# Allegro board 6089-119-RevA_41.brd (continued)
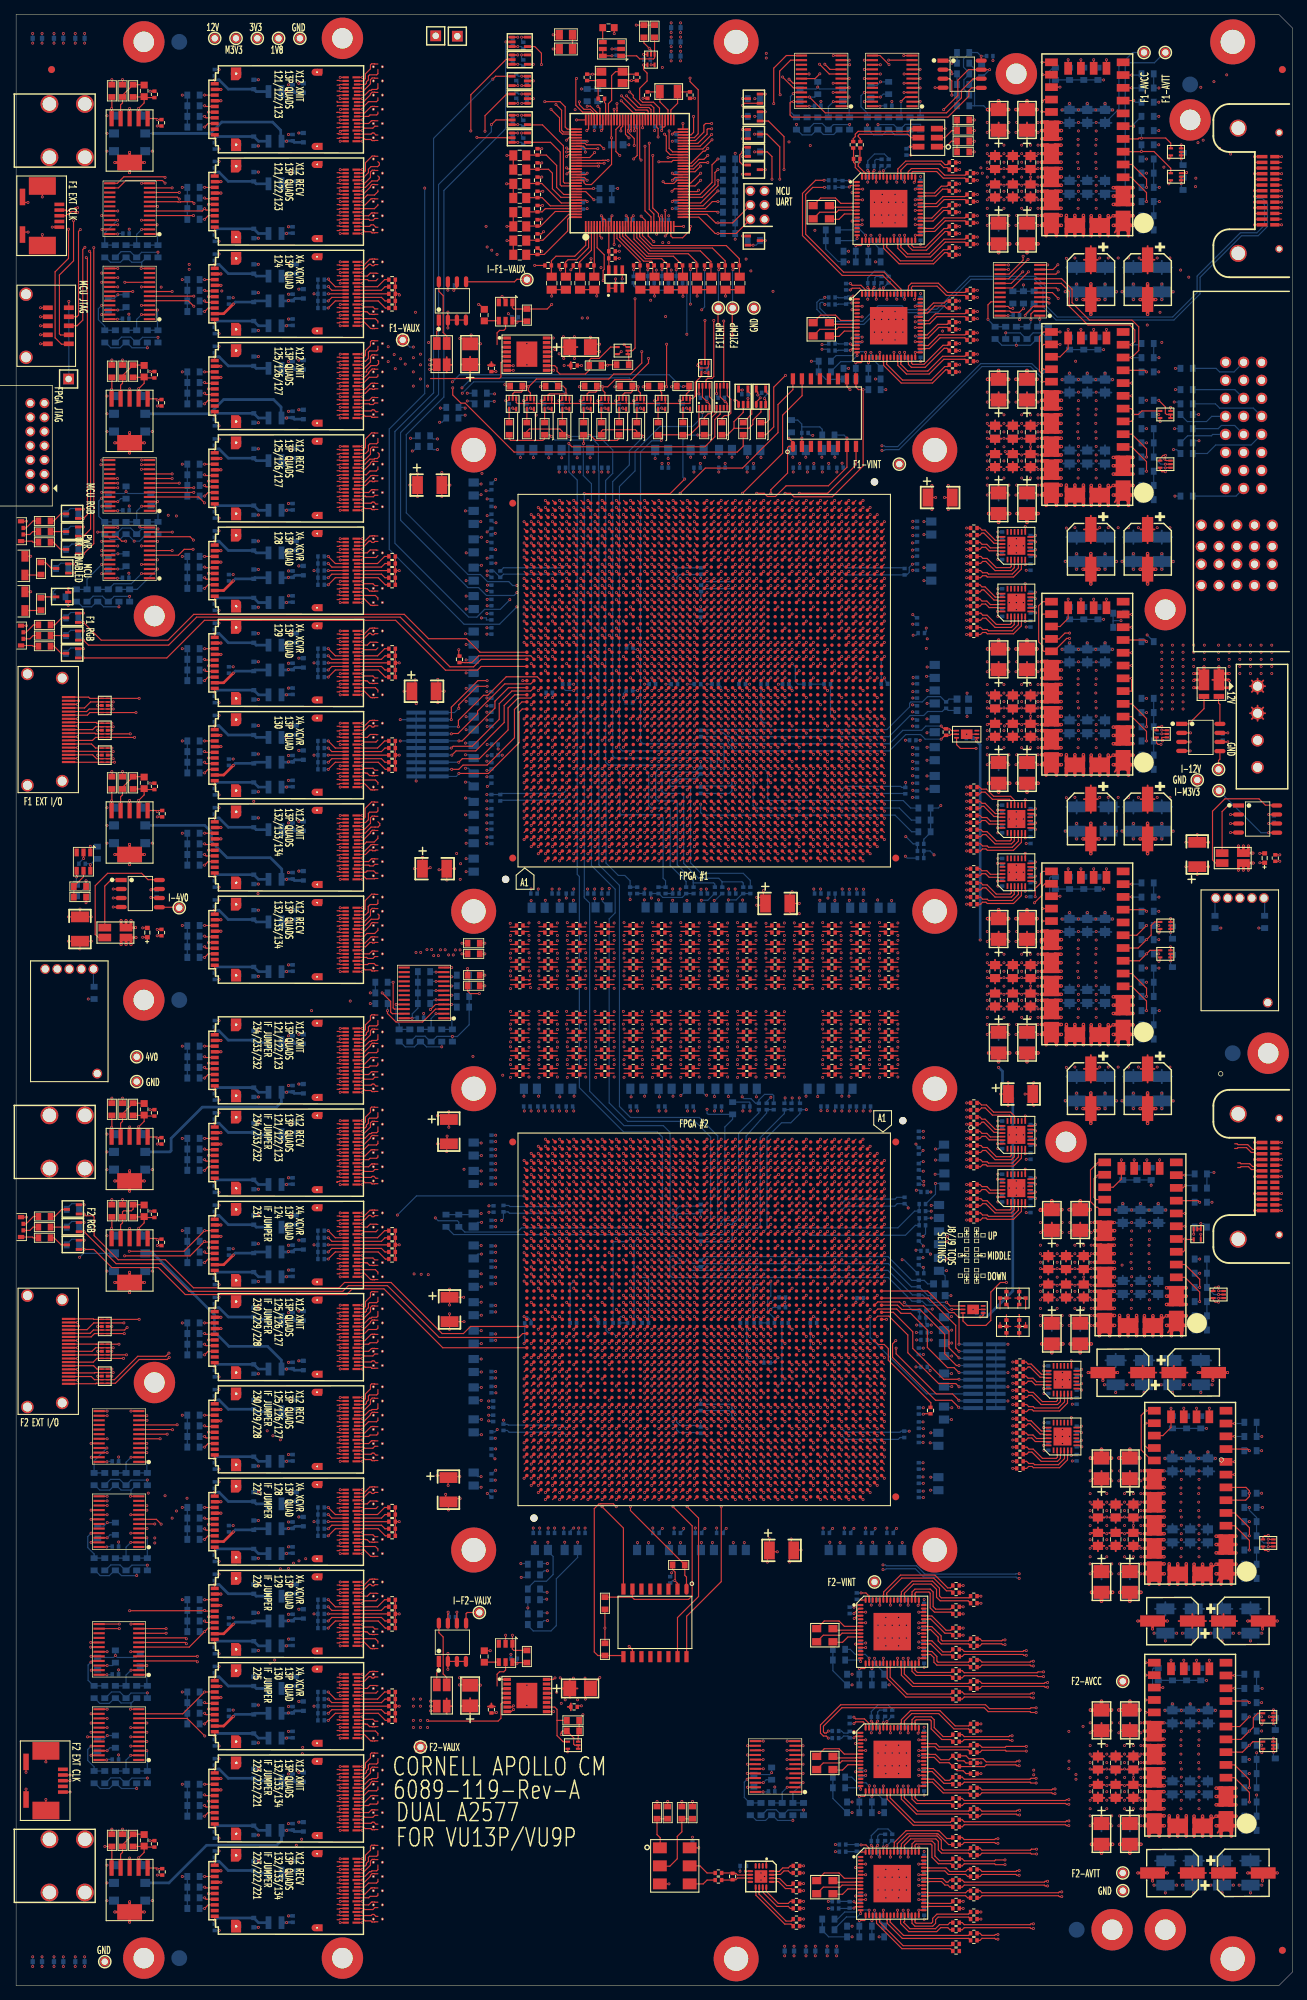
[diagram p0: board, top side]
## Routing (per net, layer and track width the routed paths; a pad name or vN(x,y) marks a point on that pad's centre or on a via; arc(x,y) is an arc through that point) (continued)
  GND6 w0.254: VA100.4 52.02,17.4 ; VA100.4 51.82,17.81 ; VA100.4 51.96,17.72 ; VA100.4 52.05,17.21 ; VA100.4 51.96,17.08 ; VA100.4 51.63,17.78 ; VA100.4 52.05,17.59 ; VA100.4 51.63,17.02 ; 174.19,176.3 J10.3 ; J10.3 174.19,174.69 ; J10.3 176.07,175.5 ; J10.3 175,176.56 ; J10.3 175.81,176.3 ; J10.3 175.81,174.69 ; J10.3 175,174.43 ; J10.3 173.93,175.5 ; VA52.4 52.02,143.4 ; VA52.4 51.63,143.78 ; VA52.4 52.05,143.59 ; VA52.4 52.05,143.21 ; VA52.4 51.96,143.72 ; VA52.4 51.63,143.02 ; VA52.4 51.82,143.81 ; VA52.4 51.96,143.08 ; PM24.1 167.17,169.23 ; PM24.1 166.5,169.02 ; PM24.1 165.83,170.57 ; PM24.1 165.62,169.9 ; PM24.1 167.38,169.9 ; PM24.1 167.17,170.57 ; PM24.1 165.83,169.23 ; PM24.1 166.5,170.78 ; VA18.4 52.05,229.59 ; VA18.4 52.02,229.4 ; VA18.4 51.96,229.72 ; VA18.4 52.05,229.21 ; VA18.4 51.63,229.02 ; VA18.4 51.82,229.81 ; VA18.4 51.96,229.08 ; VA18.4 51.63,229.78 ; 50.37,170.52 VA39.4 ; VA39.4 50.04,171.22 ; VA39.4 49.95,170.71 ; VA39.4 50.18,170.49 ; VA39.4 49.98,170.9 ; VA39.4 50.04,170.58 ; VA39.4 49.95,171.09 ; VA39.4 50.37,171.28 ; VA25.4 51.63,214.78 ; VA25.4 51.82,214.81 ; VA25.4 52.05,214.59 ; VA25.4 52.05,214.21 ; VA25.4 51.63,214.02 ; VA25.4 52.02,214.4 ; VA25.4 51.96,214.72 ; VA25.4 51.96,214.08 ; 50.37,130.02 VA56.3 ; VA56.3 49.95,130.59 ; VA56.3 50.18,129.99 ; VA56.3 49.95,130.21 ; VA56.3 49.98,130.4 ; VA56.3 50.04,130.08 ; VA56.3 50.04,130.72 ; VA56.3 50.37,130.78 ; 3.33,221.67 J1.11 ; J1.11 3.33,220.33 ; J1.11 3.62,220.13 ; J1.11 4.67,220.33 ; J1.11 4,221.88 ; J1.11 4,220.12 ; J1.11 4.88,221 ; J1.11 4.67,221.67 ; VA22.4 51.82,221.81 ; VA22.4 51.63,221.02 ; VA22.4 52.05,221.21 ; VA22.4 51.96,221.72 ; VA22.4 52.02,221.4 ; VA22.4 51.63,221.78 ; VA22.4 51.96,221.08 ; VA22.4 52.05,221.59 ; 49.98,84.4 VA75.3 ; VA75.3 50.37,84.02 ; VA75.3 50.04,84.72 ; VA75.3 49.95,84.59 ; VA75.3 50.18,83.99 ; VA75.3 49.95,84.21 ; VA75.3 50.37,84.78 ; VA75.3 50.04,84.08 ; 50.04,132.08 VA55.3 ; VA55.3 50.04,132.72 ; VA55.3 49.98,132.4 ; VA55.3 49.95,132.59 ; VA55.3 49.95,132.21 ; VA55.3 50.37,132.78 ; VA55.3 50.37,132.02 ; VA55.3 50.18,131.99 ; VA49.4 51.96,149.72 ; VA49.4 51.82,149.81 ; VA49.4 52.05,149.59 ; VA49.4 51.63,149.78 ; VA49.4 51.63,149.02 ; VA49.4 52.02,149.4 ; VA49.4 51.96,149.08 ; VA49.4 52.05,149.21 ; 51.63,117.02 VA62.4 ; VA62.4 51.96,117.08 ; VA62.4 52.02,117.4 ; VA62.4 52.05,117.21 ; VA62.4 51.82,117.81 ; VA62.4 51.63,117.78 ; VA62.4 52.05,117.59 ; VA62.4 51.96,117.72 ; VA44.4 51.96,160.72 ; VA44.4 51.82,160.81 ; VA44.4 51.63,160.78 ; VA44.4 51.96,160.08 ; VA44.4 52.02,160.4 ; VA44.4 52.05,160.59 ; VA44.4 51.63,160.02 ; VA44.4 52.05,160.21 ; 50.04,249.08 VA11.3 ; VA11.3 50.37,249.02 ; VA11.3 49.95,249.21 ; VA11.3 49.98,249.4 ; VA11.3 50.04,249.72 ; VA11.3 50.18,248.99 ; VA11.3 49.95,249.59 ; VA11.3 50.37,249.78 ; VA39.3 52.02,170.9 ; VA39.3 51.63,171.28 ; VA39.3 51.96,170.58 ; VA39.3 52.05,171.09 ; VA39.3 51.96,171.22 ; VA39.3 51.82,171.31 ; VA39.3 52.05,170.71 ; VA39.3 51.63,170.52 ; VA10.4 52.02,251.4 ; VA10.4 52.05,251.21 ; VA10.4 51.96,251.08 ; VA10.4 52.05,251.59 ; VA10.4 51.63,251.02 ; VA10.4 51.96,251.72 ; VA10.4 51.82,251.81 ; VA10.4 51.63,251.78 ; VA69.3 50.37,97.78 ; VA69.3 49.95,97.21 ; VA69.3 49.95,97.59 ; VA69.3 50.37,97.02 ; VA69.3 50.18,96.99 ; VA69.3 49.98,97.4 ; VA69.3 50.04,97.08 ; VA69.3 50.04,97.72 ; 50.04,231.08 VA17.3 ; VA17.3 49.95,231.21 ; VA17.3 50.37,231.02 ; VA17.3 50.37,231.78 ; VA17.3 49.95,231.59 ; VA17.3 49.98,231.4 ; VA17.3 50.18,230.99 ; VA17.3 50.04,231.72 ; 172.05,216.05 P1.11 ; P1.11 172.29,216.79 ; P1.11 173.77,215.31 ; P1.11 174.01,216.05 ; P1.11 173.77,216.79 ; P1.11 173.03,215.07 ; P1.11 173.03,217.03 ; P1.11 172.29,215.31 ; 50.04,158.72 VA45.3 ; VA45.3 49.98,158.4 ; VA45.3 50.37,158.78 ; VA45.3 49.95,158.21 ; VA45.3 50.18,157.99 ; VA45.3 50.04,158.08 ; VA45.3 49.95,158.59 ; VA45.3 50.37,158.02 ; PM9.1 40.67,273.73 ; PM9.1 40.67,275.07 ; PM9.1 40,275.28 ; PM9.1 39.12,274.4 ; PM9.1 40,273.52 ; PM9.1 39.33,275.07 ; PM9.1 39.33,273.73 ; PM9.1 40.88,274.4 ; 49.98,175.9 VA38.3 ; VA38.3 50.18,175.49 ; VA38.3 50.04,175.58 ; VA38.3 49.95,175.71 ; VA38.3 50.04,176.22 ; VA38.3 49.95,176.09 ; VA38.3 50.37,176.28 ; VA38.3 50.37,175.52 ; PM1.1 12.5,4.28 ; PM1.1 12.5,2.52 ; PM1.1 13.17,4.07 ; PM1.1 11.83,2.73 ; PM1.1 11.83,4.07 ; PM1.1 13.38,3.4 ; PM1.1 11.62,3.4 ; PM1.1 13.17,2.73 ; 50.37,210.02 VA27.3 ; VA27.3 50.37,210.78 ; VA27.3 50.18,209.99 ; VA27.3 49.95,210.21 ; VA27.3 50.04,210.08 ; VA27.3 49.95,210.59 ; VA27.3 50.04,210.72 ; VA27.3 49.98,210.4 ; 50.18,92.99 VA71.3 ; VA71.3 50.37,93.02 ; VA71.3 50.04,93.72 ; VA71.3 49.95,93.59 ; VA71.3 50.37,93.78 ; VA71.3 49.95,93.21 ; VA71.3 49.98,93.4 ; VA71.3 50.04,93.08 ; J5.20 2.4,168.35 ; J5.20 1.6,170.22 ; J5.20 1.6,168.08 ; J5.20 2.05,170.2 ; J5.20 2.64,169.6 ; J5.20 2.4,169.96 ; J5.20 2.66,169.15 ; J5.20 1.15,168.11 ; VA8.3 50.37,255.78 ; VA8.3 50.04,255.72 ; VA8.3 49.95,255.21 ; VA8.3 50.37,255.02 ; VA8.3 49.95,255.59 ; VA8.3 49.98,255.4 ; VA8.3 50.04,255.08 ; VA8.3 50.18,254.99 ; 50.04,89.08 VA73.3 ; VA73.3 50.04,89.72 ; VA73.3 50.37,89.78 ; VA73.3 49.98,89.4 ; VA73.3 50.37,89.02 ; VA73.3 49.95,89.21 ; VA73.3 50.18,88.99 ; VA73.3 49.95,89.59 ; VA71.4 51.96,93.08 ; VA71.4 51.63,93.02 ; VA71.4 51.96,93.72 ; VA71.4 51.63,93.78 ; VA71.4 51.82,93.81 ; VA71.4 52.05,93.21 ; VA71.4 52.05,93.59 ; VA71.4 52.02,93.4 ; 3.62,212.13 J1.3 ; J1.3 4.88,213 ; J1.3 3.33,213.67 ; J1.3 3.33,212.33 ; J1.3 4.67,212.33 ; J1.3 4.67,213.67 ; J1.3 4,213.88 ; J1.3 4,212.12 ; 51.63,26.02 VA96.4 ; VA96.4 52.02,26.4 ; VA96.4 51.63,26.78 ; VA96.4 52.05,26.59 ; VA96.4 52.05,26.21 ; VA96.4 51.82,26.81 ; VA96.4 51.96,26.08 ; VA96.4 51.96,26.72 ; 49.95,262.21 VA5.3 ; VA5.3 50.37,262.78 ; VA5.3 50.04,262.08 ; VA5.3 49.95,262.59 ; VA5.3 50.04,262.72 ; VA5.3 50.18,261.99 ; VA5.3 49.98,262.4 ; VA5.3 50.37,262.02 ; 50.18,256.99 VA7.3 ; VA7.3 49.98,257.4 ; VA7.3 49.95,257.21 ; VA7.3 50.04,257.72 ; VA7.3 49.95,257.59 ; VA7.3 50.04,257.08 ; VA7.3 50.37,257.02 ; VA7.3 50.37,257.78 ; VA48.3 50.37,151.78 ; VA48.3 50.04,151.08 ; VA48.3 49.95,151.21 ; VA48.3 50.37,151.02 ; VA48.3 50.04,151.72 ; VA48.3 50.18,150.99 ; VA48.3 49.98,151.4 ; VA48.3 49.95,151.59 ; VA87.3 51.96,49.58 ; VA87.3 51.82,50.31 ; VA87.3 52.05,50.09 ; VA87.3 51.63,49.52 ; VA87.3 52.05,49.71 ; VA87.3 51.96,50.22 ; VA87.3 52.02,49.9 ; VA87.3 51.63,50.28 ; VA21.3 50.37,223.78 ; VA21.3 50.04,223.08 ; VA21.3 49.98,223.4 ; VA21.3 49.95,223.59 ; VA21.3 50.37,223.02 ; VA21.3 49.95,223.21 ; VA21.3 50.18,222.99 ; VA21.3 50.04,223.72 ; 50.04,19.08 VA99.3 ; VA99.3 49.95,19.21 ; VA99.3 50.18,18.99 ; VA99.3 49.95,19.59 ; VA99.3 50.37,19.02 ; VA99.3 49.98,19.4 ; VA99.3 50.04,19.72 ; VA99.3 50.37,19.78 ; 50.04,241.22 VA14.3 ; VA14.3 50.37,240.52 ; VA14.3 50.04,240.58 ; VA14.3 49.95,240.71 ; VA14.3 49.95,241.09 ; VA14.3 50.37,241.28 ; VA14.3 49.98,240.9 ; VA14.3 50.18,240.49 ; 49.95,119.21 VA61.3 ; VA61.3 50.37,119.02 ; VA61.3 50.18,118.99 ; VA61.3 49.98,119.4 ; VA61.3 49.95,119.59 ; VA61.3 50.04,119.72 ; VA61.3 50.37,119.78 ; VA61.3 50.04,119.08 ; VA51.4 51.63,145.78 ; VA51.4 51.82,145.81 ; VA51.4 51.96,145.72 ; VA51.4 51.96,145.08 ; VA51.4 51.63,145.02 ; VA51.4 52.02,145.4 ; VA51.4 52.05,145.21 ; VA51.4 52.05,145.59 ; 168.83,205.06 P1.P2-8 ; P1.P2-8 168.59,205.8 ; P1.P2-8 169.57,204.82 ; P1.P2-8 170.55,205.8 ; P1.P2-8 170.31,206.54 ; P1.P2-8 170.31,205.06 ; P1.P2-8 169.57,206.78 ; P1.P2-8 168.83,206.54 ; VA83.3 52.05,62.71 ; VA83.3 51.96,62.58 ; VA83.3 52.05,63.09 ; VA83.3 51.63,63.28 ; VA83.3 51.96,63.22 ; VA83.3 51.82,63.31 ; VA83.3 51.63,62.52 ; VA83.3 52.02,62.9 ; 49.95,208.21 VA28.3 ; VA28.3 50.37,208.78 ; VA28.3 49.98,208.4 ; VA28.3 49.95,208.59 ; VA28.3 50.18,207.99 ; VA28.3 50.04,208.08 ; VA28.3 50.04,208.72 ; VA28.3 50.37,208.02 ; 49.98,147.4 VA50.3 ; VA50.3 49.95,147.59 ; VA50.3 49.95,147.21 ; VA50.3 50.18,146.99 ; VA50.3 50.04,147.08 ; VA50.3 50.37,147.02 ; VA50.3 50.04,147.72 ; VA50.3 50.37,147.78 ; 50.37,74.02 VA80.3 ; VA80.3 49.95,74.21 ; VA80.3 50.37,74.78 ; VA80.3 50.04,74.08 ; VA80.3 50.04,74.72 ; VA80.3 50.18,73.99 ; VA80.3 49.98,74.4 ; VA80.3 49.95,74.59 ; VA30.4 52.02,201.9 ; VA30.4 51.63,201.52 ; VA30.4 51.82,202.31 ; VA30.4 52.05,201.71 ; VA30.4 51.96,202.22 ; VA30.4 52.05,202.09 ; VA30.4 51.63,202.28 ; VA30.4 51.96,201.58 ; VA63.4 52.02,115.4 ; VA63.4 51.96,115.08 ; VA63.4 52.05,115.59 ; VA63.4 51.82,115.81 ; VA63.4 51.63,115.02 ; VA63.4 51.96,115.72 ; VA63.4 51.63,115.78 ; VA63.4 52.05,115.21 ; 50.37,134.02 VA54.3 ; VA54.3 50.04,134.08 ; VA54.3 49.95,134.59 ; VA54.3 50.04,134.72 ; VA54.3 50.37,134.78 ; VA54.3 49.95,134.21 ; VA54.3 49.98,134.4 ; VA54.3 50.18,133.99 ; 50.37,145.02 VA51.3 ; VA51.3 50.18,144.99 ; VA51.3 50.37,145.78 ; VA51.3 49.95,145.59 ; VA51.3 49.95,145.21 ; VA51.3 50.04,145.72 ; VA51.3 50.04,145.08 ; VA51.3 49.98,145.4 ; VA48.4 51.96,151.72 ; VA48.4 52.02,151.4 ; VA48.4 52.05,151.21 ; VA48.4 51.63,151.02 ; VA48.4 52.05,151.59 ; VA48.4 51.96,151.08 ; VA48.4 51.82,151.81 ; VA48.4 51.63,151.78 ; 49.98,62.9 VA83.4 ; VA83.4 50.04,62.58 ; VA83.4 50.37,62.52 ; VA83.4 50.04,63.22 ; VA83.4 49.95,63.09 ; VA83.4 50.18,62.49 ; VA83.4 49.95,62.71 ; VA83.4 50.37,63.28 ; VA36.4 50.37,182.28 ; VA36.4 49.95,181.71 ; VA36.4 50.37,181.52 ; VA36.4 50.04,181.58 ; VA36.4 49.95,182.09 ; VA36.4 50.18,181.49 ; VA36.4 50.04,182.22 ; VA36.4 49.98,181.9 ; VA72.4 52.02,91.4 ; VA72.4 52.05,91.59 ; VA72.4 51.63,91.02 ; VA72.4 51.96,91.08 ; VA72.4 51.63,91.78 ; VA72.4 52.05,91.21 ; VA72.4 51.96,91.72 ; VA72.4 51.82,91.81 ; 50.04,247.72 VA12.3 ; VA12.3 49.98,247.4 ; VA12.3 50.04,247.08 ; VA12.3 50.18,246.99 ; VA12.3 49.95,247.21 ; VA12.3 49.95,247.59 ; VA12.3 50.37,247.78 ; VA12.3 50.37,247.02 ; VA104.4 52.05,9.59 ; VA104.4 51.96,9.72 ; VA104.4 52.05,9.21 ; VA104.4 51.63,9.02 ; VA104.4 51.82,9.81 ; VA104.4 52.02,9.4 ; VA104.4 51.63,9.78 ; VA104.4 51.96,9.08 ; 49.98,17.4 VA100.3 ; VA100.3 49.95,17.21 ; VA100.3 50.37,17.02 ; VA100.3 50.18,16.99 ; VA100.3 50.04,17.08 ; VA100.3 50.37,17.78 ; VA100.3 49.95,17.59 ; VA100.3 50.04,17.72 ; VA90.4 52.02,41.9 ; VA90.4 51.63,41.52 ; VA90.4 52.05,41.71 ; VA90.4 51.63,42.28 ; VA90.4 51.96,42.22 ; VA90.4 52.05,42.09 ; VA90.4 51.82,42.31 ; VA90.4 51.96,41.58 ; 50.37,60.52 VA84.4 ; VA84.4 49.95,60.71 ; VA84.4 49.95,61.09 ; VA84.4 50.18,60.49 ; VA84.4 50.04,61.22 ; VA84.4 50.37,61.28 ; VA84.4 50.04,60.58 ; VA84.4 49.98,60.9 ; 49.95,197.09 VA31.4 ; VA31.4 50.18,196.49 ; VA31.4 50.04,196.58 ; VA31.4 50.37,196.52 ; VA31.4 49.98,196.9 ; VA31.4 50.04,197.22 ; VA31.4 49.95,196.71 ; VA31.4 50.37,197.28 ; 49.95,251.59 VA10.3 ; VA10.3 50.04,251.08 ; VA10.3 50.37,251.78 ; VA10.3 50.18,250.99 ; VA10.3 50.04,251.72 ; VA10.3 49.95,251.21 ; VA10.3 49.98,251.4 ; VA10.3 50.37,251.02 ; VA29.4 52.02,203.9 ; VA29.4 51.96,204.22 ; VA29.4 51.63,203.52 ; VA29.4 51.63,204.28 ; VA29.4 52.05,204.09 ; VA29.4 51.82,204.31 ; VA29.4 51.96,203.58 ; VA29.4 52.05,203.71 ; 51.63,76.02 VA79.4 ; VA79.4 52.05,76.21 ; VA79.4 51.63,76.78 ; VA79.4 51.82,76.81 ; VA79.4 52.02,76.4 ; VA79.4 51.96,76.08 ; VA79.4 51.96,76.72 ; VA79.4 52.05,76.59 ; VA20.4 51.63,225.78 ; VA20.4 51.82,225.81 ; VA20.4 51.63,225.02 ; VA20.4 51.96,225.08 ; VA20.4 52.02,225.4 ; VA20.4 51.96,225.72 ; VA20.4 52.05,225.21 ; VA20.4 52.05,225.59 ; P1.P2-2 177.81,205.06 ; P1.P2-2 176.33,206.54 ; P1.P2-2 176.33,205.06 ; P1.P2-2 177.07,206.78 ; P1.P2-2 178.05,205.8 ; P1.P2-2 177.81,206.54 ; P1.P2-2 177.07,204.82 ; P1.P2-2 176.09,205.8 ; VA38.4 52.05,175.71 ; VA38.4 51.82,176.31 ; VA38.4 51.63,176.28 ; VA38.4 52.02,175.9 ; VA38.4 51.96,175.58 ; VA38.4 51.96,176.22 ; VA38.4 51.63,175.52 ; VA38.4 52.05,176.09 ; 49.95,128.59 VA57.3 ; VA57.3 50.37,128.02 ; VA57.3 49.95,128.21 ; VA57.3 50.18,127.99 ; VA57.3 49.98,128.4 ; VA57.3 50.04,128.08 ; VA57.3 50.04,128.72 ; VA57.3 50.37,128.78 ; VA50.4 51.63,147.78 ; VA50.4 51.96,147.72 ; VA50.4 51.63,147.02 ; VA50.4 51.82,147.81 ; VA50.4 52.05,147.21 ; VA50.4 52.02,147.4 ; VA50.4 51.96,147.08 ; VA50.4 52.05,147.59 ; VA23.4 51.96,218.72 ; VA23.4 52.05,218.21 ; VA23.4 51.96,218.08 ; VA23.4 51.82,218.81 ; VA23.4 52.02,218.4 ; VA23.4 51.63,218.02 ; VA23.4 52.05,218.59 ; VA23.4 51.63,218.78 ; VA5.4 52.05,262.59 ; VA5.4 51.96,262.72 ; VA5.4 52.05,262.21 ; VA5.4 51.63,262.02 ; VA5.4 51.96,262.08 ; VA5.4 52.02,262.4 ; VA5.4 51.63,262.78 ; VA5.4 51.82,262.81 ; J6.22 7.57,96.66 ; J6.22 7.31,95.86 ; J6.22 6.5,95.6 ; J6.22 5.69,95.86 ; J6.22 6.5,97.73 ; J6.22 5.69,97.47 ; J6.22 5.43,96.66 ; J6.22 7.31,97.47 ; VA52.3 50.37,143.78 ; VA52.3 49.98,143.4 ; VA52.3 50.04,143.72 ; VA52.3 50.04,143.08 ; VA52.3 49.95,143.59 ; VA52.3 50.37,143.02 ; VA52.3 49.95,143.21 ; VA52.3 50.18,142.99 ; 51.63,270.02 VA1.4 ; VA1.4 51.63,270.78 ; VA1.4 52.05,270.21 ; VA1.4 52.05,270.59 ; VA1.4 51.96,270.72 ; VA1.4 51.96,270.08 ; VA1.4 51.82,270.81 ; VA1.4 52.02,270.4 ; VA81.4 52.05,70.09 ; VA81.4 51.82,70.31 ; VA81.4 52.05,69.71 ; VA81.4 51.63,69.52 ; VA81.4 51.63,70.28 ; VA81.4 52.02,69.9 ; VA81.4 51.96,70.22 ; VA81.4 51.96,69.58 ; 50.04,253.72 VA9.3 ; VA9.3 50.37,253.78 ; VA9.3 49.98,253.4 ; VA9.3 49.95,253.21 ; VA9.3 50.04,253.08 ; VA9.3 50.18,252.99 ; VA9.3 49.95,253.59 ; VA9.3 50.37,253.02 ; VA95.4 51.63,28.78 ; VA95.4 52.05,28.21 ; VA95.4 51.63,28.02 ; VA95.4 51.96,28.72 ; VA95.4 51.82,28.81 ; VA95.4 52.02,28.4 ; VA95.4 52.05,28.59 ; VA95.4 51.96,28.08 ; 49.95,37.09 VA91.4 ; VA91.4 50.04,36.58 ; VA91.4 50.18,36.49 ; VA91.4 49.98,36.9 ; VA91.4 50.37,36.52 ; VA91.4 49.95,36.71 ; VA91.4 50.37,37.28 ; VA91.4 50.04,37.22 ; 50.04,190.58 VA33.3 ; VA33.3 50.18,190.49 ; VA33.3 49.95,191.09 ; VA33.3 50.37,190.52 ; VA33.3 50.04,191.22 ; VA33.3 50.37,191.28 ; VA33.3 49.95,190.71 ; VA33.3 49.98,190.9 ; VA21.4 52.05,223.21 ; VA21.4 51.96,223.08 ; VA21.4 51.82,223.81 ; VA21.4 52.05,223.59 ; VA21.4 51.63,223.02 ; VA21.4 51.96,223.72 ; VA21.4 52.02,223.4 ; VA21.4 51.63,223.78 ; 50.04,202.22 VA30.3 ; VA30.3 50.04,201.58 ; VA30.3 49.98,201.9 ; VA30.3 50.37,201.52 ; VA30.3 50.37,202.28 ; VA30.3 49.95,201.71 ; VA30.3 50.18,201.49 ; VA30.3 49.95,202.09 ; 50.04,82.72 VA76.3 ; VA76.3 49.95,82.21 ; VA76.3 50.37,82.02 ; VA76.3 50.37,82.78 ; VA76.3 49.98,82.4 ; VA76.3 50.04,82.08 ; VA76.3 50.18,81.99 ; VA76.3 49.95,82.59 ; 49.98,168.9 VA40.4 ; VA40.4 50.37,168.52 ; VA40.4 50.04,168.58 ; VA40.4 50.37,169.28 ; VA40.4 50.04,169.22 ; VA40.4 50.18,168.49 ; VA40.4 49.95,168.71 ; VA40.4 49.95,169.09 ; VA82.3 50.37,68.28 ; VA82.3 49.98,67.9 ; VA82.3 50.18,67.49 ; VA82.3 49.95,67.71 ; VA82.3 49.95,68.09 ; VA82.3 50.04,67.58 ; VA82.3 50.37,67.52 ; VA82.3 50.04,68.22 ; VA88.3 52.02,47.9 ; VA88.3 51.82,48.31 ; VA88.3 51.96,47.58 ; VA88.3 51.63,47.52 ; VA88.3 51.96,48.22 ; VA88.3 52.05,48.09 ; VA88.3 51.63,48.28 ; VA88.3 52.05,47.71 ; VA59.4 52.02,123.4 ; VA59.4 51.82,123.81 ; VA59.4 51.96,123.72 ; VA59.4 52.05,123.21 ; VA59.4 51.63,123.02 ; VA59.4 51.63,123.78 ; VA59.4 52.05,123.59 ; VA59.4 51.96,123.08 ; 4,216.12 J1.7 ; J1.7 4.67,216.33 ; J1.7 4.67,217.67 ; J1.7 3.62,216.13 ; J1.7 4.88,217 ; J1.7 3.33,216.33 ; J1.7 3.33,217.67 ; J1.7 4,217.88 ; VA53.4 51.96,136.08 ; VA53.4 51.96,136.72 ; VA53.4 52.02,136.4 ; VA53.4 52.05,136.59 ; VA53.4 52.05,136.21 ; VA53.4 51.63,136.78 ; VA53.4 51.63,136.02 ; VA53.4 51.82,136.81 ; VA49.3 50.37,149.78 ; VA49.3 49.95,149.59 ; VA49.3 50.18,148.99 ; VA49.3 50.37,149.02 ; VA49.3 50.04,149.72 ; VA49.3 49.98,149.4 ; VA49.3 50.04,149.08 ; VA49.3 49.95,149.21 ; 3.33,211.67 J1.1 ; J1.1 3.62,210.13 ; J1.1 4.88,211 ; J1.1 4.67,210.33 ; J1.1 4.67,211.67 ; J1.1 3.33,210.33 ; J1.1 4,211.88 ; J1.1 4,210.12 ; 50.04,183.58 VA35.4 ; VA35.4 49.98,183.9 ; VA35.4 50.37,184.28 ; VA35.4 50.18,183.49 ; VA35.4 49.95,183.71 ; VA35.4 50.37,183.52 ; VA35.4 49.95,184.09 ; VA35.4 50.04,184.22 ; VA101.4 51.82,15.81 ; VA101.4 51.63,15.78 ; VA101.4 51.63,15.02 ; VA101.4 51.96,15.08 ; VA101.4 51.96,15.72 ; VA101.4 52.05,15.59 ; VA101.4 52.02,15.4 ; VA101.4 52.05,15.21 ; VA6.4 52.05,260.59 ; VA6.4 52.02,260.4 ; VA6.4 51.96,260.72 ; VA6.4 51.63,260.02 ; VA6.4 52.05,260.21 ; VA6.4 51.82,260.81 ; VA6.4 51.96,260.08 ; VA6.4 51.63,260.78 ; VA40.3 52.05,168.71 ; VA40.3 51.63,169.28 ; VA40.3 51.82,169.31 ; VA40.3 52.05,169.09 ; VA40.3 51.96,169.22 ; VA40.3 52.02,168.9 ; VA40.3 51.96,168.58 ; VA40.3 51.63,168.52 ; VA64.4 51.63,113.78 ; VA64.4 51.96,113.08 ; VA64.4 51.96,113.72 ; VA64.4 52.05,113.59 ; VA64.4 51.82,113.81 ; VA64.4 51.63,113.02 ; VA64.4 52.05,113.21 ; VA64.4 52.02,113.4 ; J7.1 105.5,249.78 ; J7.1 104.62,248.9 ; J7.1 104.83,248.23 ; J7.1 104.83,249.57 ; J7.1 106.17,249.57 ; J7.1 106.17,248.23 ; J7.1 106.38,248.9 ; J7.1 105.5,248.02 ; 49.98,166.4 VA41.3 ; VA41.3 50.04,166.08 ; VA41.3 50.04,166.72 ; VA41.3 49.95,166.59 ; VA41.3 50.18,165.99 ; VA41.3 50.37,166.78 ; VA41.3 49.95,166.21 ; VA41.3 50.37,166.02 ; 50.04,264.08 VA4.3 ; VA4.3 50.18,263.99 ; VA4.3 50.04,264.72 ; VA4.3 50.37,264.78 ; VA4.3 49.95,264.59 ; VA4.3 49.98,264.4 ; VA4.3 49.95,264.21 ; VA4.3 50.37,264.02 ; 173.59,205.8 P1.P2-4 ; P1.P2-4 173.83,206.54 ; P1.P2-4 175.55,205.8 ; P1.P2-4 174.57,204.82 ; P1.P2-4 175.31,206.54 ; P1.P2-4 175.31,205.06 ; P1.P2-4 174.57,206.78 ; P1.P2-4 173.83,205.06 ; VA2.4 51.96,268.08 ; VA2.4 51.96,268.72 ; VA2.4 52.05,268.59 ; VA2.4 52.05,268.21 ; VA2.4 51.63,268.02 ; VA2.4 52.02,268.4 ; VA2.4 51.63,268.78 ; VA2.4 51.82,268.81 ; 6.5,183.2 J5.22 ; J5.22 5.69,183.46 ; J5.22 5.43,184.26 ; J5.22 6.5,185.33 ; J5.22 7.31,185.07 ; J5.22 5.69,185.07 ; J5.22 7.31,183.46 ; J5.22 7.57,184.26 ; 49.95,26.21 VA96.3 ; VA96.3 50.37,26.02 ; VA96.3 50.18,25.99 ; VA96.3 50.37,26.78 ; VA96.3 49.98,26.4 ; VA96.3 50.04,26.08 ; VA96.3 49.95,26.59 ; VA96.3 50.04,26.72 ; VA16.3 52.05,233.71 ; VA16.3 51.96,233.58 ; VA16.3 51.63,233.52 ; VA16.3 51.82,234.31 ; VA16.3 51.96,234.22 ; VA16.3 52.05,234.09 ; VA16.3 52.02,233.9 ; VA16.3 51.63,234.28 ; VA88.4 50.37,48.28 ; VA88.4 49.98,47.9 ; VA88.4 49.95,48.09 ; VA88.4 50.04,47.58 ; VA88.4 50.18,47.49 ; VA88.4 49.95,47.71 ; VA88.4 50.04,48.22 ; VA88.4 50.37,47.52 ; 49.98,15.4 VA101.3 ; VA101.3 50.04,15.72 ; VA101.3 49.95,15.59 ; VA101.3 50.37,15.02 ; VA101.3 49.95,15.21 ; VA101.3 50.04,15.08 ; VA101.3 50.18,14.99 ; VA101.3 50.37,15.78 ; J7.5 106.38,252.9 ; J7.5 104.83,253.57 ; J7.5 106.17,253.57 ; J7.5 105.5,253.78 ; J7.5 105.5,252.02 ; J7.5 104.83,252.23 ; J7.5 106.17,252.23 ; J7.5 104.62,252.9 ; 50.04,121.72 VA60.3 ; VA60.3 49.98,121.4 ; VA60.3 49.95,121.21 ; VA60.3 50.37,121.02 ; VA60.3 50.04,121.08 ; VA60.3 50.37,121.78 ; VA60.3 49.95,121.59 ; VA60.3 50.18,120.99 ; VA15.3 51.63,236.28 ; VA15.3 51.63,235.52 ; VA15.3 52.05,236.09 ; VA15.3 51.96,236.22 ; VA15.3 52.02,235.9 ; VA15.3 51.96,235.58 ; VA15.3 52.05,235.71 ; VA15.3 51.82,236.31 ; VA68.3 52.05,99.71 ; VA68.3 51.96,100.22 ; VA68.3 51.63,99.52 ; VA68.3 51.96,99.58 ; VA68.3 52.02,99.9 ; VA68.3 51.82,100.31 ; VA68.3 51.63,100.28 ; VA68.3 52.05,100.09 ; VA45.4 51.96,158.72 ; VA45.4 51.63,158.02 ; VA45.4 51.63,158.78 ; VA45.4 52.05,158.21 ; VA45.4 52.02,158.4 ; VA45.4 51.96,158.08 ; VA45.4 52.05,158.59 ; VA45.4 51.82,158.81 ; 173.59,202.8 P1.P2-3 ; P1.P2-3 173.83,203.54 ; P1.P2-3 174.57,201.82 ; P1.P2-3 173.83,202.06 ; P1.P2-3 174.57,203.78 ; P1.P2-3 175.55,202.8 ; P1.P2-3 175.31,203.54 ; P1.P2-3 175.31,202.06 ; 50.37,115.02 VA63.3 ; VA63.3 50.04,115.08 ; VA63.3 50.37,115.78 ; VA63.3 50.18,114.99 ; VA63.3 49.95,115.21 ; VA63.3 49.95,115.59 ; VA63.3 49.98,115.4 ; VA63.3 50.04,115.72 ; 51.63,74.02 VA80.4 ; VA80.4 52.02,74.4 ; VA80.4 51.63,74.78 ; VA80.4 51.82,74.81 ; VA80.4 51.96,74.08 ; VA80.4 52.05,74.59 ; VA80.4 51.96,74.72 ; VA80.4 52.05,74.21 ; U1.3 8.17,143.94 ; U1.3 7.5,144.14 ; U1.3 6.83,142.6 ; U1.3 7.88,144.14 ; U1.3 7.5,142.39 ; U1.3 6.83,143.94 ; U1.3 7.12,142.4 ; U1.3 8.17,142.6 ; VA11.4 51.96,249.08 ; VA11.4 51.82,249.81 ; VA11.4 51.96,249.72 ; VA11.4 52.02,249.4 ; VA11.4 52.05,249.59 ; VA11.4 51.63,249.78 ; VA11.4 52.05,249.21 ; VA11.4 51.63,249.02 ; VA72.3 50.37,91.78 ; VA72.3 49.95,91.59 ; VA72.3 50.04,91.08 ; VA72.3 49.98,91.4 ; VA72.3 50.37,91.02 ; VA72.3 50.18,90.99 ; VA72.3 50.04,91.72 ; VA72.3 49.95,91.21 ; 49.98,218.4 VA23.3 ; VA23.3 50.37,218.02 ; VA23.3 50.04,218.08 ; VA23.3 49.95,218.59 ; VA23.3 50.37,218.78 ; VA23.3 50.18,217.99 ; VA23.3 49.95,218.21 ; VA23.3 50.04,218.72 ; VA86.4 51.82,55.31 